# Altium PCB A33.PcbDoc (part 1 of 3)
Units mil, origin at the board's own origin, x right, y up, seen from the top; angles counter-clockwise.
Board outline 7899.31 x 8282.76 mil, 4 copper layers (TOP, GND02, PWR03, BOTTOM), stack 38.4 mil thick; 39 components, 64 nets, 546 pads, 403 vias.
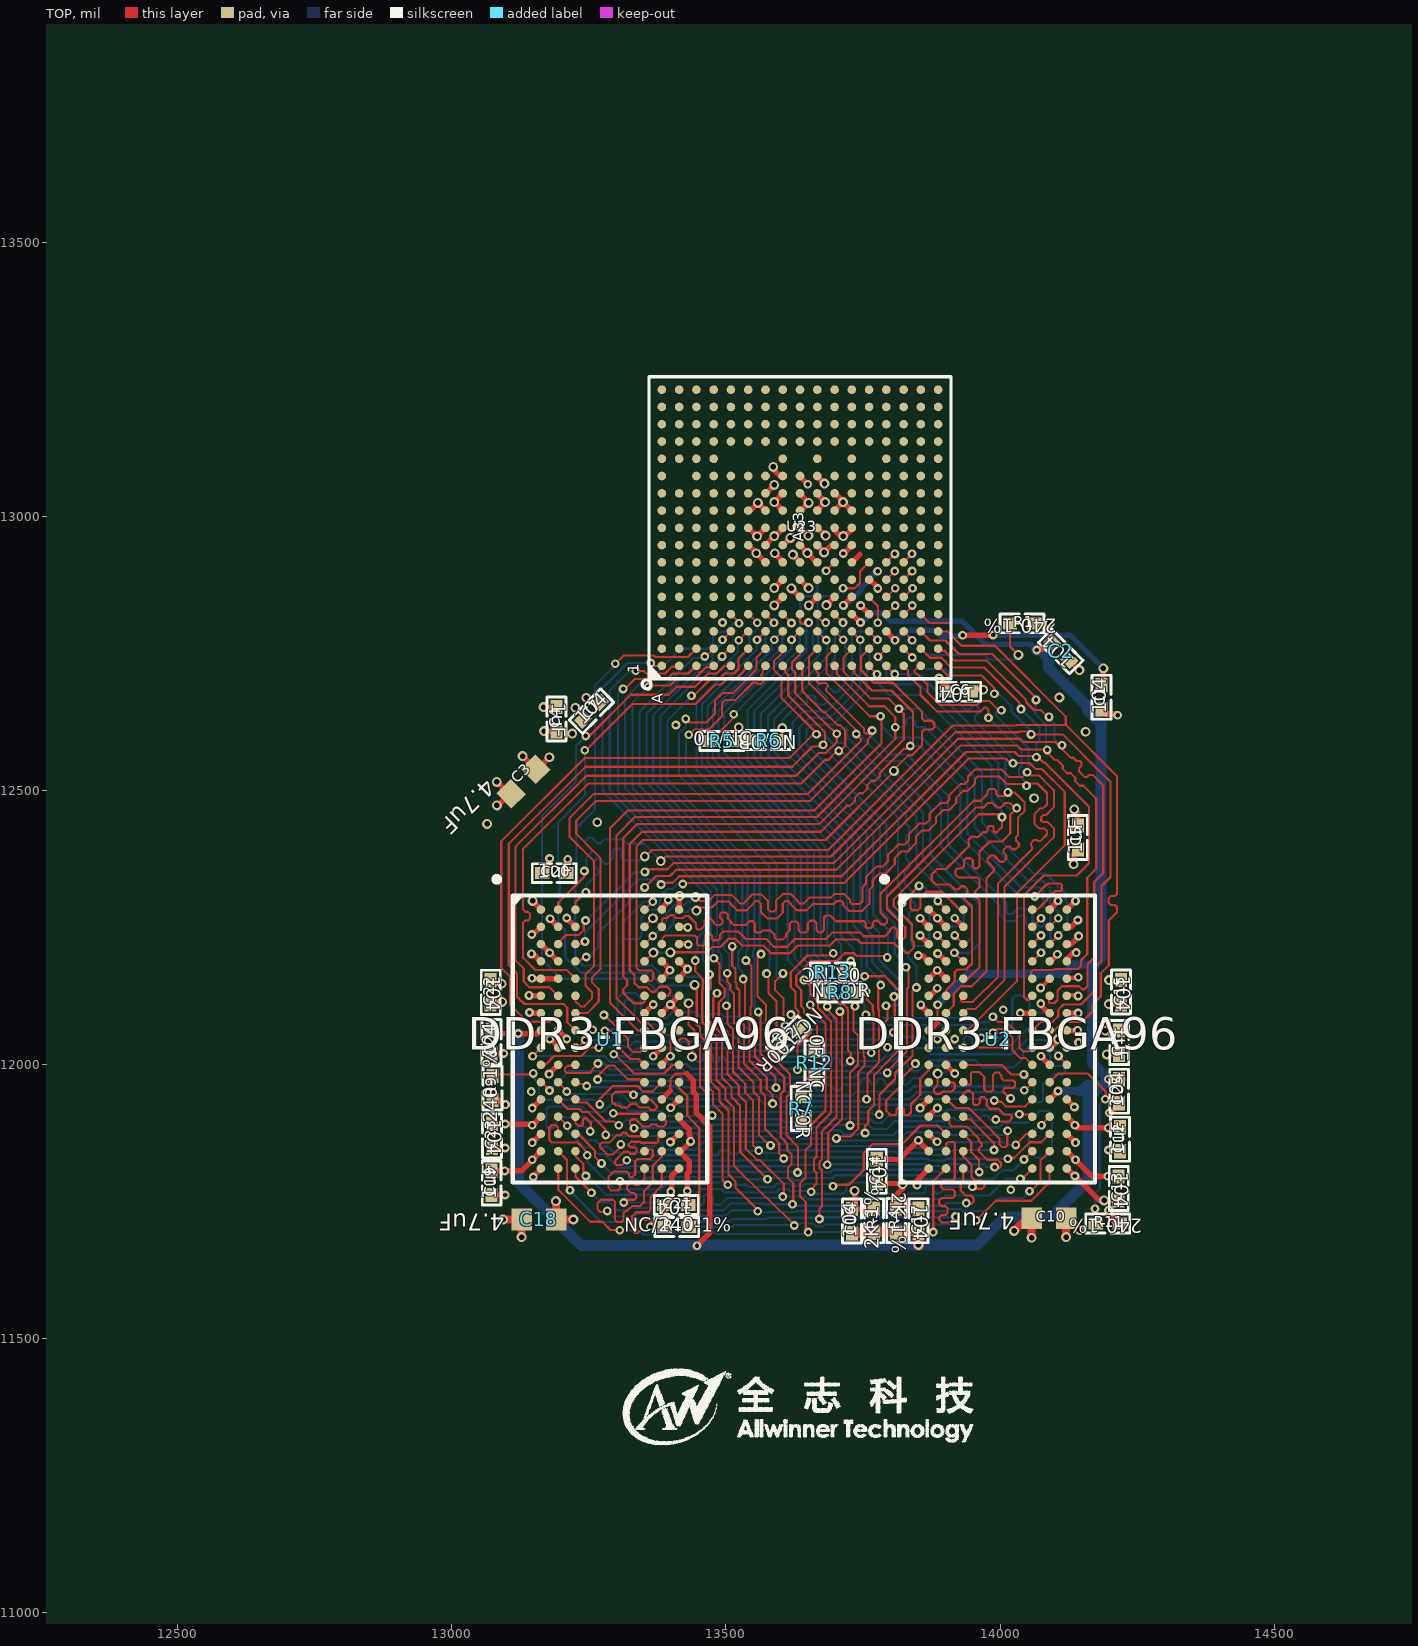
[diagram p0: TOP view]
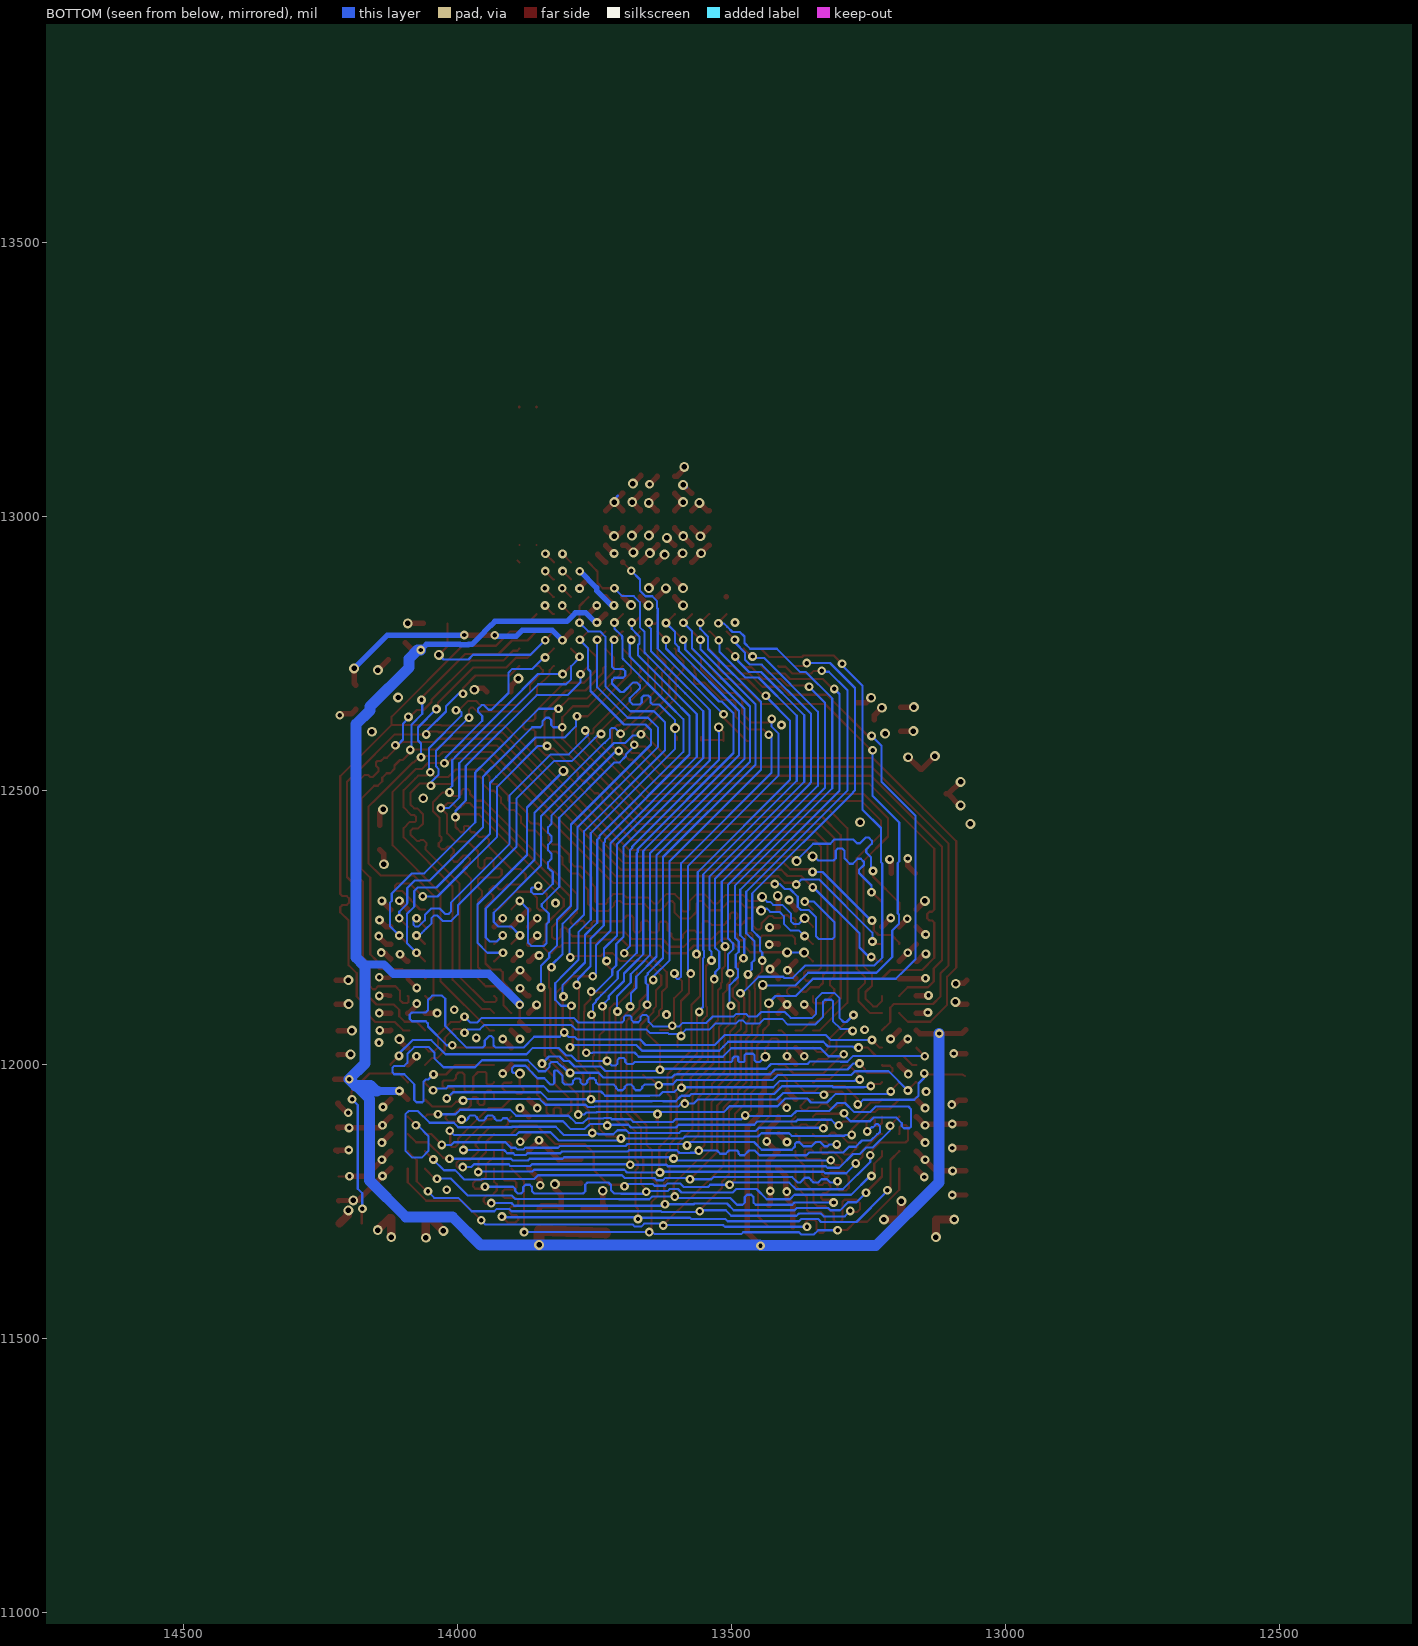
[diagram p1: BOTTOM view, seen from below]
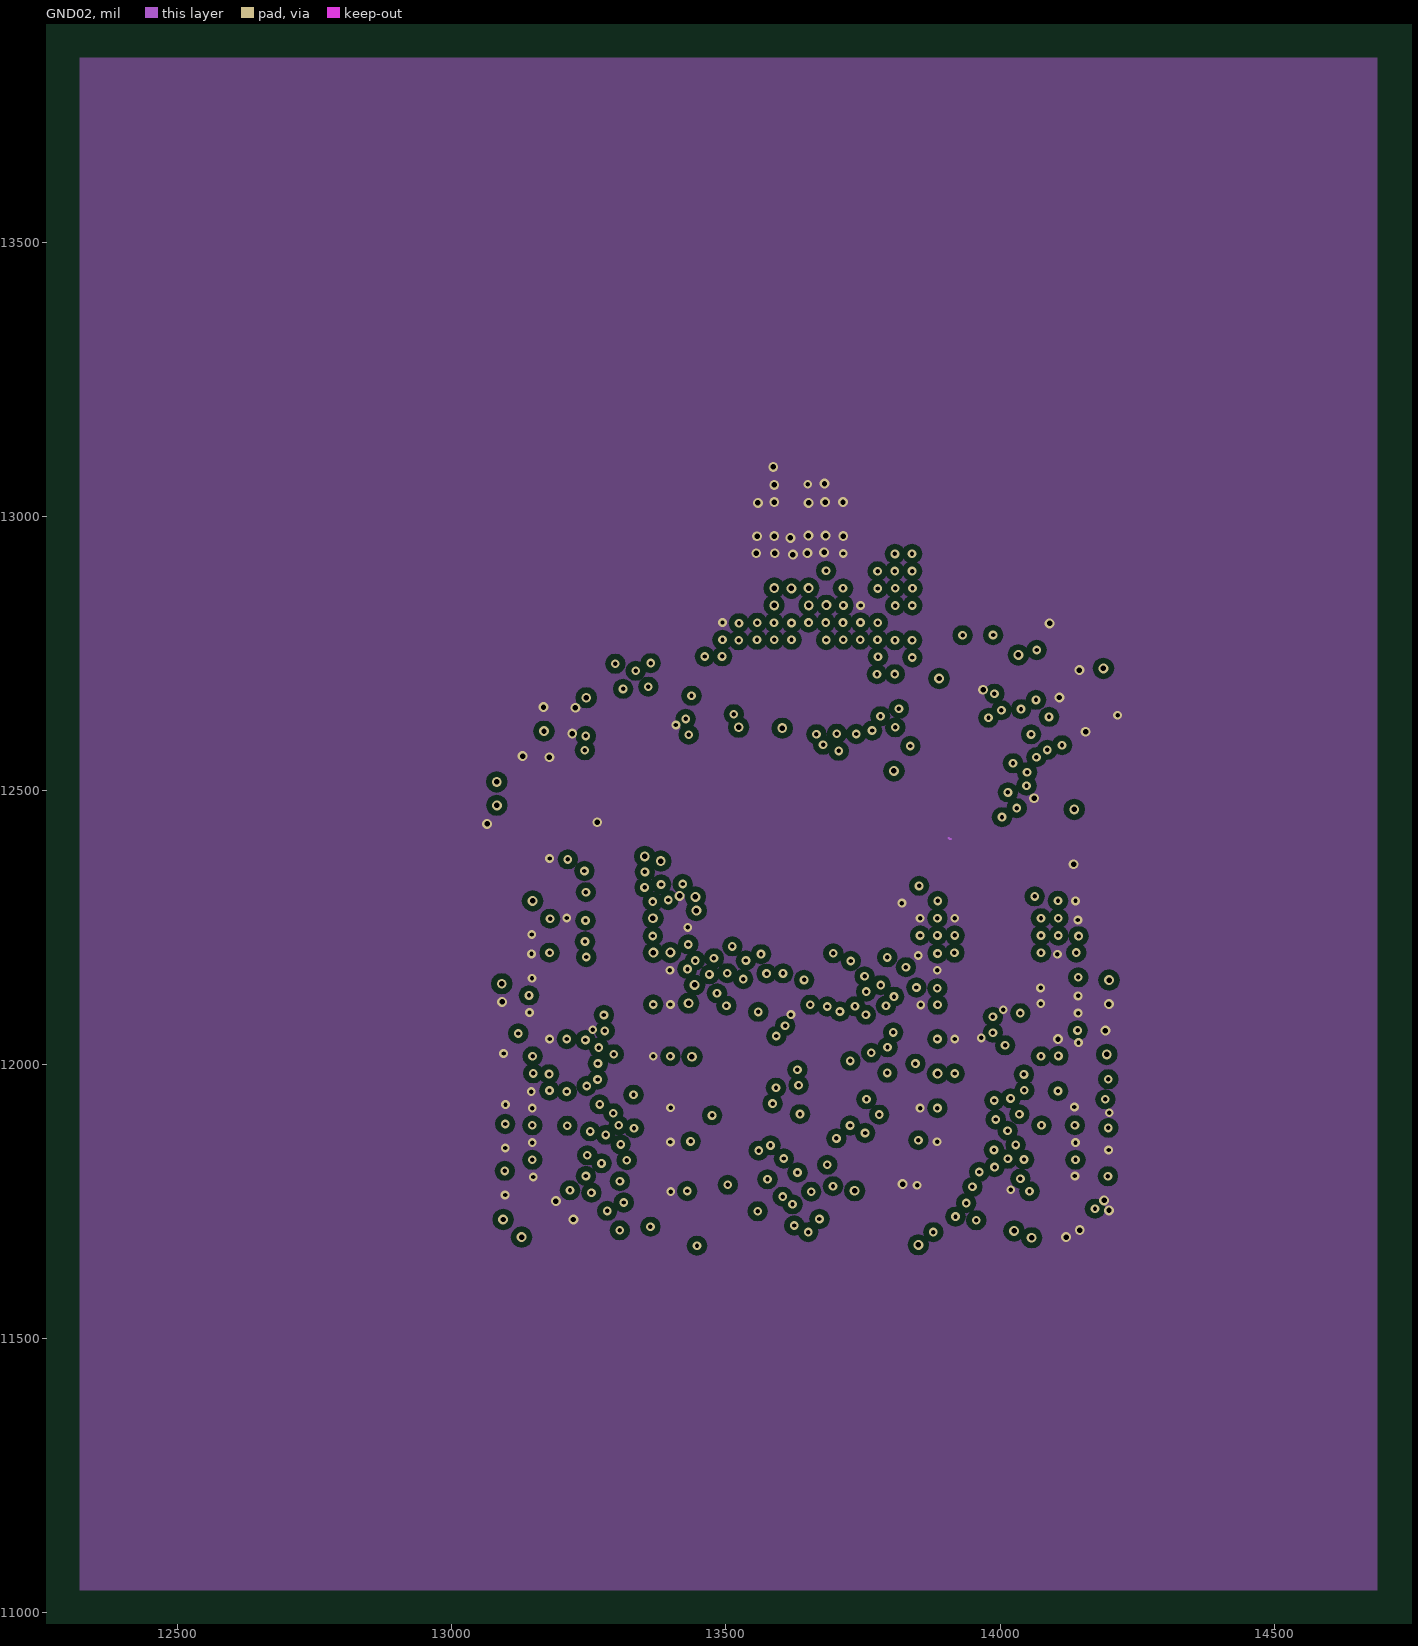
[diagram p2: GND02]
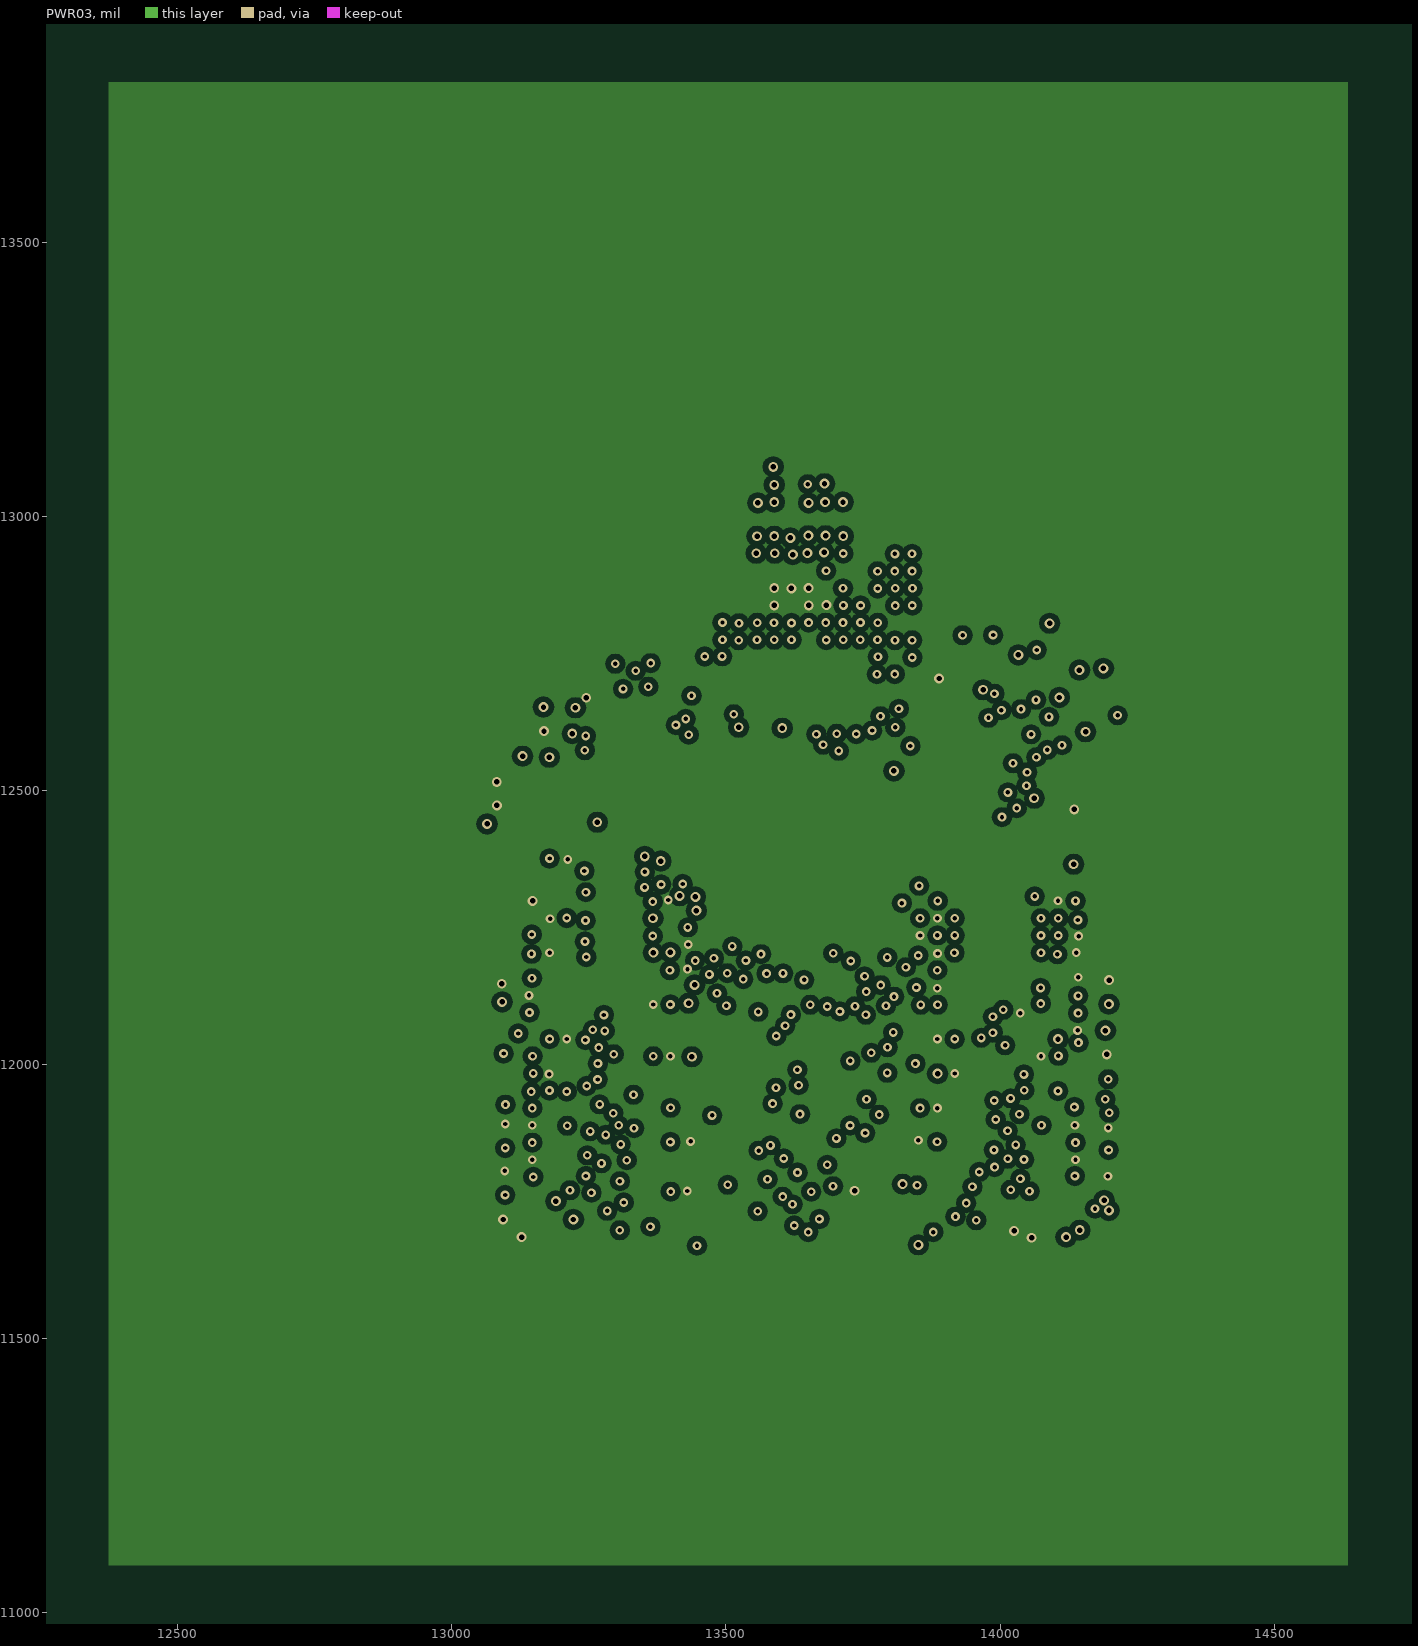
[diagram p3: PWR03]

## Layer stack, top to bottom
Top Solder: solder mask 0.4, Solder Resist, Dk 3.5
TOP: signal copper 1.6
Dielectric 1: core 2.9, FR-4, Dk 4.5
GND02: signal copper 1.2
Dielectric2: core 27, FR-4, Dk 4.5
PWR03: signal copper 1.2
Dielectric3: core 2.9, FR-4, Dk 4.5
BOTTOM: signal copper 1.6
Bottom Solder: solder mask 0.4, Solder Resist, Dk 3.5

## Board outline
8532.52,9606.17 16431.83,9606.17 16431.83,17888.93 8532.52,17888.93

## Design rules (kind name [scope] priority, off if disabled: settings)
Clearance [All] p1: gap=10
PlaneConnect [All] p1: planeconnectstyle=Direct reliefexpansion=20 reliefentries=4 reliefconductorwidth=10 reliefairgap=10
PolygonConnect [All] p1: connectstyle=Direct reliefconductorwidth=10 reliefentries=4 polygonreliefangle="90 Angle" airgapwidth=10
RoutingVias [All] p1: holewidth=28 width=50 viastyle="Through Hole" minholewidth=28 minwidth=50 maxholewidth=28 maxwidth=50
SolderMaskExpansion [All] p1: expansion=4
Width [All] p1: maxlimit=10 minlimit=10 preferedwidth=10 impedancedriven=TRUE minimp=2.160000 maximp=48.440000 favimp=2.060000
28 further rules are at their usual default settings.

## Components (designator, comment, footprint, x,y, rotation, side; value= is the part's Value field where it differs from the comment)
C1 "CAPACITOR_0_C0402_104" C0402 14185.25,12670.55 r90 top
C2 "CAPACITOR_0_C0402_104" C0402 14110.49,12754.23 r135 top
C3 "CAPACITOR_0_C0603_4.7UF" C0603 13130.2,12516.98 r225 top
C4 "CAPACITOR_0_C0402_1UF" C0402 13190.73,12630.78 r270 top
C5 "CAPACITOR_0_C0402_1UF" C0402 14141.93,12414.87 r90 top
C6 "CAPACITOR_0_C0402_104" C0402 13924.63,12680.77 r180 top
C7 "CAPACITOR_0_C0402_104" C0402 13254.63,12645.41 r45 top
C10 "CAPACITOR_0_C0603_4.7UF" C0603 14089.03,11720.11 r180 top
C11 "CAPACITOR_0_C0402_1UF" C0402 14217.37,12040.59 r270 top
C12 "CAPACITOR_0_C0402_1UF" C0402 14218.69,11864.32 r90 top
C13 "CAP_0_C0402_104" C0402 14216.52,11774.39 r270 top
C14 "CAP_0_C0402_104" C0402 13775.06,11805.81 r270 top
C15 "CAP_0_C0402_104" C0402 14220.62,12132.68 r270 top
C16 "CAPACITOR_0_C0402_104" C0402 13729.74,11714.88 r90 top
C17 "CAPACITOR_0_C0402_104" C0402 13851.01,11715.57 r270 top
C18 "CAPACITOR_0_C0603_4.7UF" C0603 13158.49,11717.8 r180 top
C19 "CAPACITOR_0_C0402_1UF" C0402 13072.42,11784.51 r90 top
C20 "CAPACITOR_0_C0402_1UF" C0402 13186.65,12349.73 r0 top
C21 "CAP_0_C0402_104" C0402 13409.35,11744.2 r180 top
C22 "CAP_0_C0402_104" C0402 13070.7,12132.27 r270 top
C23 "CAP_0_C0402_104" C0402 13073.14,11870.3 r270 top
C24 "CAPACITOR_0_C0402_104" C0402 13072.35,12042.25 r90 top
C25 "CAPACITOR_0_C0402_104" C0402 14217.33,11951.85 r90 top
R1 "R_R0402_240-1%" R0402 14040.23,12805.45 r180 top
R2 "R1 0805_R0402_NC/100R" R0402 13614.28,12048.28 r225 top
R3 "?_0_R0402_2K-1%" R0402 13769.95,11715.57 r90 top
R4 "?_0_R0402_2K-1%" R0402 13810.48,11715.91 r270 top
R5 "R1 0805_R0402_0R/NC" R0402 13492.2,12590.8 r0 top
R6 "R1 0805_R0402_NC/0R" R0402 13577.1,12592.54 r180 top
R7 "R1 0805_R0402_NC/0R" R0402 13636.45,11920.25 r270 top
R8 "R1 0805_R0402_NC/0R" R0402 13707.74,12131.95 r0 top
R9 "R_R0402_240-1%" R0402 13073.82,11957.62 r90 top
R10 "R_R0402_NC/240-1%" R0402 13410.09,11704.12 r0 top
R11 "R_R0402_240-1%" R0402 14196.47,11710.43 r180 top
R12 "R1 0805_R0402_0R/NC" R0402 13661.2,12003.64 r270 top
R13 "R1 0805_R0402_0R/NC" R0402 13694.03,12168.45 r180 top
U1 "DDR3_1_FBGA96C80P9X13_DDR3-FBGA" FBGA96C80P9X13 13288.36,12047.08 r0 top
U2 "DDR3_1_FBGA96C80P9X13_DDR3-FBGA" FBGA96C80P9X13 13995.92,12047.09 r0 top
U23 "BGA280_3_BGA282P0_80B14X14H1_30" BGA282P0_80B14X14H1_30 13635.26,12979.4 r90 top

## Footprints (in the part's own frame and the unit in brackets; to place one, negate y for a bottom-side part, rotate by r counter-clockwise, add the part's x,y. Pads: shape width x height; smd on the part's side, far side on the other; paste and mask are expansions set on the pad)
BGA282P0_80B14X14H1_30 [mm] "BGA282P0_80B14X14H1_30"
  round 0.4 smd: A1(-6.39,6.405) A2(-5.59,6.405) A3(-4.79,6.405) A4(-3.99,6.405) A5(-3.19,6.405) A6(-2.39,6.405) A7(-1.59,6.405) A8(-0.79,6.405) A9(0.01,6.405) A10(0.81,6.405) A11(1.61,6.405) A12(2.41,6.405) A13(3.21,6.405) A14(4.01,6.405) A15(4.81,6.405) A16(5.61,6.405) A17(6.41,6.405) B1(-6.39,5.605) B2(-5.59,5.605) B3(-4.79,5.605) B4(-3.99,5.605) B5(-3.19,5.605) B6(-2.39,5.605) B7(-1.59,5.605) B8(-0.79,5.605) B9(0.01,5.605) B10(0.81,5.605) B11(1.61,5.605) B13(3.21,5.605) B14(4.01,5.605) B15(4.81,5.605) B16(5.61,5.605) B17(6.41,5.605) C1(-6.39,4.805) C2(-5.59,4.805) C3(-4.79,4.805) C4(-3.99,4.805) C5(-3.19,4.805) C6(-2.39,4.805) C7(-1.59,4.805) C8(-0.79,4.805) C9(0.01,4.805) C10(0.81,4.805) C11(1.61,4.805) C12(2.41,4.805) C13(3.21,4.805) C14(4.01,4.805) C15(4.81,4.805) C16(5.61,4.805) C17(6.41,4.805) D1(-6.39,4.005) D2(-5.59,4.005) D3(-4.79,4.005) D4(-3.99,4.005) D5(-3.19,4.005) D6(-2.39,4.005) D7(-1.59,4.005) D8(-0.79,4.005) D9(0.01,4.005) D10(0.81,4.005) D11(1.61,4.005) D12(2.41,4.005) D13(3.21,4.005) D14(4.01,4.005) D15(4.81,4.005) D16(5.61,4.005) D17(6.41,4.005) E1(-6.39,3.205) E2(-5.59,3.205) E3(-4.79,3.205) E4(-3.99,3.205) E5(-3.19,3.205) E6(-2.39,3.205) E7(-1.59,3.205) E8(-0.79,3.205) E9(0.01,3.205) E10(0.81,3.205) E11(1.61,3.205) E12(2.41,3.205) E14(4.01,3.205) E15(4.81,3.205) E16(5.61,3.205) E17(6.41,3.205) F1(-6.39,2.405) F2(-5.59,2.405) F3(-4.79,2.405) F4(-3.99,2.405) F5(-3.19,2.405) F6(-2.39,2.405) F7(-1.59,2.405) F8(-0.79,2.405) F9(0.01,2.405) F10(0.81,2.405) F11(1.61,2.405) F12(2.41,2.405) F14(4.01,2.405) F15(4.81,2.405) F16(5.61,2.405) F17(6.41,2.405) G1(-6.39,1.605) G2(-5.59,1.605) G3(-4.79,1.605) G4(-3.99,1.605) G5(-3.19,1.605) G6(-2.39,1.605) G7(-1.59,1.605) G8(-0.79,1.605) G9(0.01,1.605) G10(0.81,1.605) G11(1.61,1.605) G12(2.41,1.605) G14(4.01,1.605) G15(4.81,1.605) G16(5.61,1.605) G17(6.41,1.605) H1(-6.39,0.805) H2(-5.59,0.805) H3(-4.79,0.805) H4(-3.99,0.805) H5(-3.19,0.805) H6(-2.39,0.805) H7(-1.59,0.805) H8(-0.79,0.805) H9(0.01,0.805) H10(0.81,0.805) H11(1.61,0.805) H12(2.41,0.805) H13(3.21,0.805) H14(4.01,0.805) H15(4.81,0.805) H16(5.61,0.805) H17(6.41,0.805) J1(-6.39,0.005) J2(-5.59,0.005) J3(-4.79,0.005) J4(-3.99,0.005) J5(-3.19,0.005) J6(-2.39,0.005) J7(-1.59,0.005) J8(-0.79,0.005) J9(0.01,0.005) J10(0.81,0.005) J11(1.61,0.005) J12(2.41,0.005) J14(4.01,0.005) J15(4.81,0.005) J16(5.61,0.005) J17(6.41,0.005) K1(-6.39,-0.795) K2(-5.59,-0.795) K3(-4.79,-0.795) K4(-3.99,-0.795) K5(-3.19,-0.795) K6(-2.39,-0.795) K7(-1.59,-0.795) K8(-0.79,-0.795) K9(0.01,-0.795) K10(0.81,-0.795) K11(1.61,-0.795) K12(2.41,-0.795) K13(3.21,-0.795) K14(4.01,-0.795) K15(4.81,-0.795) K16(5.61,-0.795) K17(6.41,-0.795) L1(-6.39,-1.595) L2(-5.59,-1.595) L3(-4.79,-1.595) L4(-3.99,-1.595) L5(-3.19,-1.595) L6(-2.39,-1.595) L7(-1.59,-1.595) L8(-0.79,-1.595) L9(0.01,-1.595) L10(0.81,-1.595) L11(1.61,-1.595) L12(2.41,-1.595) L14(4.01,-1.595) L15(4.81,-1.595) L16(5.61,-1.595) L17(6.41,-1.595) M1(-6.39,-2.395) M2(-5.59,-2.395) M3(-4.79,-2.395) M4(-3.99,-2.395) M5(-3.19,-2.395) M6(-2.39,-2.395) M7(-1.59,-2.395) M8(-0.79,-2.395) M9(0.01,-2.395) M10(0.81,-2.395) M11(1.61,-2.395) M12(2.41,-2.395) M13(3.21,-2.395) M14(4.01,-2.395) M15(4.81,-2.395) M16(5.61,-2.395) M17(6.41,-2.395) N1(-6.39,-3.195) N2(-5.59,-3.195) N3(-4.79,-3.195) N4(-3.99,-3.195) N5(-3.19,-3.195) N6(-2.39,-3.195) N7(-1.59,-3.195) N8(-0.79,-3.195) N9(0.01,-3.195) N10(0.81,-3.195) N11(1.61,-3.195) N12(2.41,-3.195) N14(4.01,-3.195) N15(4.81,-3.195) N16(5.61,-3.195) N17(6.41,-3.195) P1(-6.39,-3.995) P2(-5.59,-3.995) P3(-4.79,-3.995) P4(-3.99,-3.995) P5(-3.19,-3.995) P6(-2.39,-3.995) P7(-1.59,-3.995) P8(-0.79,-3.995) P9(0.01,-3.995) P10(0.81,-3.995) P11(1.61,-3.995) P12(2.41,-3.995) P13(3.21,-3.995) P14(4.01,-3.995) P15(4.81,-3.995) P16(5.61,-3.995) P17(6.41,-3.995) R1(-6.39,-4.795) R2(-5.59,-4.795) R3(-4.79,-4.795) R4(-3.99,-4.795) R5(-3.19,-4.795) R6(-2.39,-4.795) R7(-1.59,-4.795) R8(-0.79,-4.795) R9(0.01,-4.795) R10(0.81,-4.795) R11(1.61,-4.795) R12(2.41,-4.795) R13(3.21,-4.795) R14(4.01,-4.795) R15(4.81,-4.795) R16(5.61,-4.795) R17(6.41,-4.795) T1(-6.39,-5.595) T2(-5.59,-5.595) T3(-4.79,-5.595) T4(-3.99,-5.595) T5(-3.19,-5.595) T6(-2.39,-5.595) T7(-1.59,-5.595) T8(-0.79,-5.595) T9(0.01,-5.595) T10(0.81,-5.595) T11(1.61,-5.595) T12(2.41,-5.595) T13(3.21,-5.595) T14(4.01,-5.595) T15(4.81,-5.595) T16(5.61,-5.595) T17(6.41,-5.595) U1(-6.39,-6.395) U2(-5.59,-6.395) U3(-4.79,-6.395) U4(-3.99,-6.395) U5(-3.19,-6.395) U6(-2.39,-6.395) U7(-1.59,-6.395) U8(-0.79,-6.395) U9(0.01,-6.395) U10(0.81,-6.395) U11(1.61,-6.395) U12(2.41,-6.395) U13(3.21,-6.395) U14(4.01,-6.395) U15(4.81,-6.395) U16(5.61,-6.395) U17(6.41,-6.395)
  silkscreen extent -7.44,-7 7.01,7.32
C0402 [mil] "C0402"
  rect 26x22 smd: 1(-22,0) 2(22,0)
  silkscreen extent -40,-17 40,17
C0603 [mm] "C0603"
  rect 0.95x1 smd: 1(-0.8,0) 2(0.8,0)
FBGA96C80P9X13 [mm] "FBGA96C80P9X13"
  round 0.4 smd: A1(-3.2,6) A2(-2.4,6) A3(-1.6,6) A7(1.6,6) A8(2.4,6) A9(3.2,6) B1(-3.2,5.2) B2(-2.4,5.2) B3(-1.6,5.2) B7(1.6,5.2) B8(2.4,5.2) B9(3.2,5.2) C1(-3.2,4.4) C2(-2.4,4.4) C3(-1.6,4.4) C7(1.6,4.4) C8(2.4,4.4) C9(3.2,4.4) D1(-3.2,3.6) D2(-2.4,3.6) D3(-1.6,3.6) D7(1.6,3.6) D8(2.4,3.6) D9(3.2,3.6) E1(-3.2,2.8) E2(-2.4,2.8) E3(-1.6,2.8) E7(1.6,2.8) E8(2.4,2.8) E9(3.2,2.8) F1(-3.2,2) F2(-2.4,2) F3(-1.6,2) F7(1.6,2) F8(2.4,2) F9(3.2,2) G1(-3.2,1.2) G2(-2.4,1.2) G3(-1.6,1.2) G7(1.6,1.2) G8(2.4,1.2) G9(3.2,1.2) H1(-3.2,0.4) H2(-2.4,0.4) H3(-1.6,0.4) H7(1.6,0.4) H8(2.4,0.4) H9(3.2,0.4) J1(-3.2,-0.4) J2(-2.4,-0.4) J3(-1.6,-0.4) J7(1.6,-0.4) J8(2.4,-0.4) J9(3.2,-0.4) K1(-3.2,-1.2) K2(-2.4,-1.2) K3(-1.6,-1.2) K7(1.6,-1.2) K8(2.4,-1.2) K9(3.2,-1.2) L1(-3.2,-2) L2(-2.4,-2) L3(-1.6,-2) L7(1.6,-2) L8(2.4,-2) L9(3.2,-2) M1(-3.2,-2.8) M2(-2.4,-2.8) M3(-1.6,-2.8) M7(1.6,-2.8) M8(2.4,-2.8) M9(3.2,-2.8) N1(-3.2,-3.6) N2(-2.4,-3.6) N3(-1.6,-3.6) N7(1.6,-3.6) N8(2.4,-3.6) N9(3.2,-3.6) P1(-3.2,-4.4) P2(-2.4,-4.4) P3(-1.6,-4.4) P7(1.6,-4.4) P8(2.4,-4.4) P9(3.2,-4.4) R1(-3.2,-5.2) R2(-2.4,-5.2) R3(-1.6,-5.2) R7(1.6,-5.2) R8(2.4,-5.2) R9(3.2,-5.2) T1(-3.2,-6) T2(-2.4,-6) T3(-1.6,-6) T7(1.6,-6) T8(2.4,-6) T9(3.2,-6)
  silkscreen extent -5.37,-6.65 4.5,7.52
R0402 [mil] "R0402"
  rect 26x22 smd: 1(-22,0) 2(22,0)
  silkscreen extent -40,-17 40,17

## Via types
v1: diameter 16, hole 8, TOP to BOTTOM, 320 vias
v2: diameter 18, hole 10, TOP to BOTTOM, 83 vias


## Text inside footprints (layer, text, board x,y; h text height)
U23: PIN_NUMBER "H5" at 13583.56,12853.81 h25 r90; PIN_NUMBER "L5" at 13678.05,12853.81 h25 r90; PIN_NUMBER "K5" at 13646.56,12853.81 h25 r90; PIN_NUMBER "J6" at 13615.06,12885.3 h25 r90; PIN_NUMBER "H6" at 13583.56,12885.3 h25 r90; PIN_NUMBER "J5" at 13615.06,12853.81 h25 r90; PIN_NUMBER "A5" at 13363.09,12853.81 h25 r90; PIN_NUMBER "K14" at 13636.56,13137.27 h25 r90; PIN_NUMBER "T16" at 13825.53,13200.26 h25 r90; PIN_NUMBER "K16" at 13636.56,13200.26 h25 r90; PIN_NUMBER "T17" at 13825.53,13231.76 h25 r90; PIN_NUMBER "U16" at 13857.03,13200.26 h25 r90; PIN_NUMBER "B3" at 13394.59,12790.81 h25 r90; PIN_NUMBER "N16" at 13731.04,13200.26 h25 r90; PIN_NUMBER "L14" at 13668.05,13137.27 h25 r90; PIN_NUMBER "J14" at 13605.06,13137.27 h25 r90; PIN_NUMBER "E17" at 13479.07,13231.76 h25 r90; PIN_NUMBER "K13" at 13636.56,13105.78 h25 r90; PIN_NUMBER "G15" at 13542.07,13168.77 h25 r90; PIN_NUMBER "E11" at 13479.07,13042.78 h25 r90; PIN_NUMBER "E12" at 13479.07,13074.28 h25 r90; PIN_NUMBER "F12" at 13510.57,13074.28 h25 r90; PIN_NUMBER "G12" at 13542.07,13074.28 h25 r90; PIN_NUMBER "F11" at 13510.57,13042.78 h25 r90; PIN_NUMBER "N11" at 13731.04,13042.78 h25 r90; PIN_NUMBER "M11" at 13699.55,13042.78 h25 r90; PIN_NUMBER "C9" at 13426.08,12979.79 h25 r90; PIN_NUMBER "D15" at 13447.58,13168.77 h25 r90; PIN_NUMBER "D8" at 13457.58,12948.3 h25 r90; PIN_NUMBER "L12" at 13668.05,13074.28 h25 r90; PIN_NUMBER "D14" at 13447.58,13137.27 h25 r90; PIN_NUMBER "C8" at 13426.08,12948.3 h25 r90; PIN_NUMBER "D13" at 13447.58,13105.78 h25 r90; PIN_NUMBER "C5" at 13426.08,12853.81 h25 r90; PIN_NUMBER "C13" at 13416.08,13105.78 h25 r90; PIN_NUMBER "D6" at 13457.58,12885.3 h25 r90; PIN_NUMBER "B2" at 13394.59,12759.32 h25 r90; PIN_NUMBER "D7" at 13457.58,12916.8 h25 r90; PIN_NUMBER "U17" at 13857.03,13231.76 h25 r90; PIN_NUMBER "M5" at 13709.55,12853.81 h25 r90; PIN_NUMBER "L15" at 13668.05,13168.77 h25 r90; PIN_NUMBER "K15" at 13636.56,13168.77 h25 r90; PIN_NUMBER "M13" at 13699.55,13105.78 h25 r90; PIN_NUMBER "N15" at 13731.04,13168.77 h25 r90; PIN_NUMBER "M15" at 13699.55,13168.77 h25 r90; PIN_NUMBER "U14" at 13857.03,13137.27 h25 r90; PIN_NUMBER "T14" at 13825.53,13137.27 h25 r90; PIN_NUMBER "D10" at 13447.58,13011.29 h25 r90; PIN_NUMBER "C14" at 13416.08,13137.27 h25 r90; PIN_NUMBER "F17" at 13510.57,13231.76 h25 r90; PIN_NUMBER "E16" at 13479.07,13200.26 h25 r90; PIN_NUMBER "G17" at 13542.07,13231.76 h25 r90; PIN_NUMBER "P14" at 13762.54,13137.27 h25 r90; PIN_NUMBER "B14" at 13384.59,13137.27 h25 r90; PIN_NUMBER "A17" at 13353.09,13231.76 h25 r90; PIN_NUMBER "P13" at 13762.54,13105.78 h25 r90; PIN_NUMBER "T13" at 13825.53,13105.78 h25 r90; PIN_NUMBER "R17" at 13794.04,13231.76 h25 r90; PIN_NUMBER "R16" at 13794.04,13200.26 h25 r90; PIN_NUMBER "A14" at 13353.09,13137.27 h25 r90; PIN_NUMBER "A16" at 13353.09,13200.26 h25 r90; PIN_NUMBER "B16" at 13384.59,13200.26 h25 r90; PIN_NUMBER "B17" at 13384.59,13231.76 h25 r90; PIN_NUMBER "B13" at 13384.59,13105.78 h25 r90; PIN_NUMBER "B15" at 13384.59,13168.77 h25 r90; PIN_NUMBER "R15" at 13794.04,13168.77 h25 r90; PIN_NUMBER "H17" at 13573.56,13231.76 h25 r90; PIN_NUMBER "B6" at 13394.59,12885.3 h25 r90; PIN_NUMBER "P17" at 13762.54,13231.76 h25 r90; PIN_NUMBER "A13" at 13353.09,13105.78 h25 r90; PIN_NUMBER "A15" at 13353.09,13168.77 h25 r90; PIN_NUMBER "C10" at 13416.08,13011.29 h25 r90; PIN_NUMBER "B11" at 13384.59,13042.78 h25 r90; PIN_NUMBER "D11" at 13447.58,13042.78 h25 r90; PIN_NUMBER "F16" at 13510.57,13200.26 h25 r90; PIN_NUMBER "C11" at 13416.08,13042.78 h25 r90; PIN_NUMBER "G16" at 13542.07,13200.26 h25 r90; PIN_NUMBER "C12" at 13416.08,13074.28 h25 r90; PIN_NUMBER "D12" at 13447.58,13074.28 h25 r90; PIN_NUMBER "A7" at 13363.09,12916.8 h25 r90; PIN_NUMBER "B7" at 13394.59,12916.8 h25 r90; PIN_NUMBER "D17" at 13447.58,13231.76 h25 r90; PIN_NUMBER "A8" at 13363.09,12948.3 h25 r90; PIN_NUMBER "B8" at 13394.59,12948.3 h25 r90; PIN_NUMBER "A9" at 13363.09,12979.79 h25 r90; PIN_NUMBER "N6" at 13741.04,12885.3 h25 r90; PIN_NUMBER "B9" at 13394.59,12979.79 h25 r90; PIN_NUMBER "U5" at 13867.03,12853.81 h25 r90; PIN_NUMBER "A10" at 13353.09,13011.29 h25 r90; PIN_NUMBER "B10" at 13384.59,13011.29 h25 r90; PIN_NUMBER "A11" at 13353.09,13042.78 h25 r90; PIN_NUMBER "T5" at 13835.53,12853.81 h25 r90; PIN_NUMBER "D5" at 13457.58,12853.81 h25 r90; PIN_NUMBER "C6" at 13426.08,12885.3 h25 r90; PIN_NUMBER "K17" at 13636.56,13231.76 h25 r90; PIN_NUMBER "L17" at 13668.05,13231.76 h25 r90; PIN_NUMBER "A4" at 13363.09,12822.31 h25 r90; PIN_NUMBER "C17" at 13416.08,13231.76 h25 r90; PIN_NUMBER "C16" at 13416.08,13200.26 h25 r90; PIN_NUMBER "C15" at 13416.08,13168.77 h25 r90; PIN_NUMBER "F14" at 13510.57,13137.27 h25 r90; PIN_NUMBER "E14" at 13479.07,13137.27 h25 r90; PIN_NUMBER "D9" at 13457.58,12979.79 h25 r90; PIN_NUMBER "C3" at 13426.08,12790.81 h25 r90; PIN_NUMBER "A2" at 13363.09,12759.32 h25 r90; PIN_NUMBER "D3" at 13457.58,12790.81 h25 r90; PIN_NUMBER "C4" at 13426.08,12822.31 h25 r90; PIN_NUMBER "D4" at 13457.58,12822.31 h25 r90; PIN_NUMBER "R14" at 13794.04,13137.27 h25 r90; PIN_NUMBER "T12" at 13825.53,13074.28 h25 r90; PIN_NUMBER "U12" at 13857.03,13074.28 h25 r90; PIN_NUMBER "L16" at 13668.05,13200.26 h25 r90; PIN_NUMBER "P5" at 13772.54,12853.81 h25 r90; PIN_NUMBER "U6" at 13867.03,12885.3 h25 r90; PIN_NUMBER "R6" at 13804.04,12885.3 h25 r90; PIN_NUMBER "P6" at 13772.54,12885.3 h25 r90; PIN_NUMBER "P4" at 13772.54,12822.31 h25 r90; PIN_NUMBER "N14" at 13731.04,13137.27 h25 r90; PIN_NUMBER "H16" at 13573.56,13200.26 h25 r90; PIN_NUMBER "N10" at 13731.04,13011.29 h25 r90; PIN_NUMBER "N9" at 13741.04,12979.79 h25 r90; PIN_NUMBER "E8" at 13489.07,12948.3 h25 r90; PIN_NUMBER "E9" at 13489.07,12979.79 h25 r90; PIN_NUMBER "E10" at 13479.07,13011.29 h25 r90; PIN_NUMBER "M7" at 13709.55,12916.8 h25 r90; PIN_NUMBER "M6" at 13709.55,12885.3 h25 r90; PIN_NUMBER "N8" at 13741.04,12948.3 h25 r90; PIN_NUMBER "L6" at 13678.05,12885.3 h25 r90; PIN_NUMBER "K6" at 13646.56,12885.3 h25 r90; PIN_NUMBER "C7" at 13426.08,12916.8 h25 r90; PIN_NUMBER "R4" at 13804.04,12822.31 h25 r90; PIN_NUMBER "M12" at 13699.55,13074.28 h25 r90; PIN_NUMBER "T6" at 13835.53,12885.3 h25 r90; PIN_NUMBER "R5" at 13804.04,12853.81 h25 r90; PIN_NUMBER "P15" at 13762.54,13168.77 h25 r90; PIN_NUMBER "G5" at 13552.07,12853.81 h25 r90; PIN_NUMBER "F5" at 13520.57,12853.81 h25 r90; PIN_NUMBER "G6" at 13552.07,12885.3 h25 r90; PIN_NUMBER "F7" at 13520.57,12916.8 h25 r90; PIN_NUMBER "F6" at 13520.57,12885.3 h25 r90; PIN_NUMBER "E5" at 13489.07,12853.81 h25 r90; PIN_NUMBER "E6" at 13489.07,12885.3 h25 r90; PIN_NUMBER "E7" at 13489.07,12916.8 h25 r90; PIN_NUMBER "B4" at 13394.59,12822.31 h25 r90; PIN_NUMBER "A3" at 13363.09,12790.81 h25 r90; PIN_NUMBER "J17" at 13605.06,13231.76 h25 r90; PIN_NUMBER "A6" at 13363.09,12885.3 h25 r90; PIN_NUMBER "D16" at 13447.58,13200.26 h25 r90; PIN_NUMBER "M16" at 13699.55,13200.26 h25 r90; PIN_NUMBER "P16" at 13762.54,13200.26 h25 r90; PIN_NUMBER "M17" at 13699.55,13231.76 h25 r90; PIN_NUMBER "B5" at 13394.59,12853.81 h25 r90; PIN_NUMBER "J16" at 13605.06,13200.26 h25 r90; PIN_NUMBER "N17" at 13731.04,13231.76 h25 r90; PIN_NUMBER "M14" at 13699.55,13137.27 h25 r90; PIN_NUMBER "H14" at 13573.56,13137.27 h25 r90; PIN_NUMBER "U9" at 13867.03,12979.79 h25 r90; PIN_NUMBER "U11" at 13857.03,13042.78 h25 r90; PIN_NUMBER "T11" at 13825.53,13042.78 h25 r90; PIN_NUMBER "R12" at 13794.04,13074.28 h25 r90; PIN_NUMBER "T15" at 13825.53,13168.77 h25 r90; PIN_NUMBER "U10" at 13857.03,13011.29 h25 r90; PIN_NUMBER "P11" at 13762.54,13042.78 h25 r90; PIN_NUMBER "R11" at 13794.04,13042.78 h25 r90; PIN_NUMBER "T9" at 13835.53,12979.79 h25 r90; PIN_NUMBER "P8" at 13772.54,12948.3 h25 r90; PIN_NUMBER "P9" at 13772.54,12979.79 h25 r90; PIN_NUMBER "T10" at 13825.53,13011.29 h25 r90; PIN_NUMBER "R7" at 13804.04,12916.8 h25 r90; PIN_NUMBER "P10" at 13762.54,13011.29 h25 r90; PIN_NUMBER "P12" at 13762.54,13074.28 h25 r90; PIN_NUMBER "R10" at 13794.04,13011.29 h25 r90; PIN_NUMBER "R8" at 13804.04,12948.3 h25 r90; PIN_NUMBER "R9" at 13804.04,12979.79 h25 r90; PIN_NUMBER "P7" at 13772.54,12916.8 h25 r90; PIN_NUMBER "E15" at 13479.07,13168.77 h25 r90; PIN_NUMBER "U15" at 13857.03,13168.77 h25 r90; PIN_NUMBER "U4" at 13867.03,12822.31 h25 r90; PIN_NUMBER "T4" at 13835.53,12822.31 h25 r90; PIN_NUMBER "T7" at 13835.53,12916.8 h25 r90; PIN_NUMBER "T8" at 13835.53,12948.3 h25 r90; PIN_NUMBER "U7" at 13867.03,12916.8 h25 r90; PIN_NUMBER "U8" at 13867.03,12948.3 h25 r90; PIN_NUMBER "J15" at 13605.06,13168.77 h25 r90; PIN_NUMBER "H15" at 13573.56,13168.77 h25 r90; PIN_NUMBER "A12" at 13353.09,13074.28 h25 r90; PIN_NUMBER "F15" at 13510.57,13168.77 h25 r90; PIN_NUMBER "G14" at 13542.07,13137.27 h25 r90; PIN_NUMBER "U13" at 13857.03,13105.78 h25 r90; PIN_NUMBER "R13" at 13794.04,13105.78 h25 r90; PIN_NUMBER "N12" at 13731.04,13074.28 h25 r90; PIN_NUMBER "H13" at 13573.56,13105.78 h25 r90; PIN_NUMBER "N7" at 13741.04,12916.8 h25 r90; PIN_NUMBER "L7" at 13678.05,12916.8 h25 r90; PIN_NUMBER "N5" at 13741.04,12853.81 h25 r90; PIN_NUMBER "P3" at 13772.54,12790.81 h25 r90; PIN_NUMBER "R3" at 13804.04,12790.81 h25 r90; PIN_NUMBER "M4" at 13709.55,12822.31 h25 r90; PIN_NUMBER "G3" at 13552.07,12790.81 h25 r90; PIN_NUMBER "L3" at 13678.05,12790.81 h25 r90; PIN_NUMBER "H4" at 13583.56,12822.31 h25 r90; PIN_NUMBER "K4" at 13646.56,12822.31 h25 r90; PIN_NUMBER "J3" at 13615.06,12790.81 h25 r90; PIN_NUMBER "N3" at 13741.04,12790.81 h25 r90; PIN_NUMBER "L4" at 13678.05,12822.31 h25 r90; PIN_NUMBER "M3" at 13709.55,12790.81 h25 r90; PIN_NUMBER "K3" at 13646.56,12790.81 h25 r90; PIN_NUMBER "E1" at 13489.07,12727.82 h25 r90; PIN_NUMBER "D1" at 13457.58,12727.82 h25 r90; PIN_NUMBER "F3" at 13520.57,12790.81 h25 r90; PIN_NUMBER "F4" at 13520.57,12822.31 h25 r90; PIN_NUMBER "G4" at 13552.07,12822.31 h25 r90; PIN_NUMBER "H3" at 13583.56,12790.81 h25 r90; PIN_NUMBER "E2" at 13489.07,12759.32 h25 r90; PIN_NUMBER "F1" at 13520.57,12727.82 h25 r90; PIN_NUMBER "C1" at 13426.08,12727.82 h25 r90; PIN_NUMBER "A1" at 13363.09,12727.82 h25 r90; PIN_NUMBER "F2" at 13520.57,12759.32 h25 r90; PIN_NUMBER "C2" at 13426.08,12759.32 h25 r90; PIN_NUMBER "B1" at 13394.59,12727.82 h25 r90; PIN_NUMBER "E3" at 13489.07,12790.81 h25 r90; PIN_NUMBER "D2" at 13457.58,12759.32 h25 r90; PIN_NUMBER "E4" at 13489.07,12822.31 h25 r90; PIN_NUMBER "J4" at 13615.06,12822.31 h25 r90; PIN_NUMBER "G1" at 13552.07,12727.82 h25 r90; PIN_NUMBER "T3" at 13835.53,12790.81 h25 r90; PIN_NUMBER "N2" at 13741.04,12759.32 h25 r90; PIN_NUMBER "T1" at 13835.53,12727.82 h25 r90; PIN_NUMBER "R1" at 13804.04,12727.82 h25 r90; PIN_NUMBER "K1" at 13646.56,12727.82 h25 r90; PIN_NUMBER "K2" at 13646.56,12759.32 h25 r90; PIN_NUMBER "L1" at 13678.05,12727.82 h25 r90; PIN_NUMBER "R2" at 13804.04,12759.32 h25 r90; PIN_NUMBER "U3" at 13867.03,12790.81 h25 r90; PIN_NUMBER "J2" at 13615.06,12759.32 h25 r90; PIN_NUMBER "P1" at 13772.54,12727.82 h25 r90; PIN_NUMBER "J1" at 13615.06,12727.82 h25 r90; PIN_NUMBER "P2" at 13772.54,12759.32 h25 r90; PIN_NUMBER "G2" at 13552.07,12759.32 h25 r90; PIN_NUMBER "U1" at 13867.03,12727.82 h25 r90; PIN_NUMBER "N1" at 13741.04,12727.82 h25 r90; PIN_NUMBER "H2" at 13583.56,12759.32 h25 r90; PIN_NUMBER "L2" at 13678.05,12759.32 h25 r90; PIN_NUMBER "T2" at 13835.53,12759.32 h25 r90; PIN_NUMBER "U2" at 13867.03,12759.32 h25 r90; PIN_NUMBER "M2" at 13709.55,12759.32 h25 r90; PIN_NUMBER "H1" at 13583.56,12727.82 h25 r90; PIN_NUMBER "M1" at 13709.55,12727.82 h25 r90; PIN_NUMBER "L8" at 13678.05,12948.3 h25 r90; PIN_NUMBER "K8" at 13646.56,12948.3 h25 r90; PIN_NUMBER "G7" at 13552.07,12916.8 h25 r90; PIN_NUMBER "F8" at 13520.57,12948.3 h25 r90; PIN_NUMBER "H7" at 13583.56,12916.8 h25 r90; PIN_NUMBER "J8" at 13615.06,12948.3 h25 r90; PIN_NUMBER "K7" at 13646.56,12916.8 h25 r90; PIN_NUMBER "J7" at 13615.06,12916.8 h25 r90; PIN_NUMBER "M8" at 13709.55,12948.3 h25 r90; PIN_NUMBER "N4" at 13741.04,12822.31 h25 r90; PIN_NUMBER "G11" at 13542.07,13042.78 h25 r90; PIN_NUMBER "H12" at 13573.56,13074.28 h25 r90; PIN_NUMBER "J12" at 13605.06,13074.28 h25 r90; PIN_NUMBER "G9" at 13552.07,12979.79 h25 r90; PIN_NUMBER "F9" at 13520.57,12979.79 h25 r90; PIN_NUMBER "H9" at 13583.56,12979.79 h25 r90; PIN_NUMBER "G8" at 13552.07,12948.3 h25 r90; PIN_NUMBER "F10" at 13510.57,13011.29 h25 r90; PIN_NUMBER "G10" at 13542.07,13011.29 h25 r90; PIN_NUMBER "J10" at 13605.06,13011.29 h25 r90; PIN_NUMBER "J11" at 13605.06,13042.78 h25 r90; PIN_NUMBER "H11" at 13573.56,13042.78 h25 r90; PIN_NUMBER "H10" at 13573.56,13011.29 h25 r90; PIN_NUMBER "H8" at 13583.56,12948.3 h25 r90; PIN_NUMBER "K9" at 13646.56,12979.79 h25 r90; PIN_NUMBER "J9" at 13615.06,12979.79 h25 r90; PIN_NUMBER "K10" at 13636.56,13011.29 h25 r90; PIN_NUMBER "K11" at 13636.56,13042.78 h25 r90; PIN_NUMBER "K12" at 13636.56,13074.28 h25 r90; PIN_NUMBER "M9" at 13709.55,12979.79 h25 r90; PIN_NUMBER "L9" at 13678.05,12979.79 h25 r90; PIN_NUMBER "L10" at 13668.05,13011.29 h25 r90; PIN_NUMBER "M10" at 13699.55,13011.29 h25 r90; PIN_NUMBER "L11" at 13668.05,13042.78 h25 r90; AUTOSILK_TOP "A33" at 13326,13021.13 h20 r90; AUTOSILK_TOP "1" at 13340.96,12714.04 h20 r90; AUTOSILK_TOP "A" at 13384.67,12658.93 h20 r90; Top Overlay "A" at 13384.67,12658.93 h20 r90; Top Overlay "1" at 13340.96,12714.04 h20 r90; Top Overlay "A33" at 13641.92,12953.9 h20 r90